# Altium PCB tempbord.PcbDoc
Units mm, origin at the board's own origin, x right, y up, seen from the top; angles counter-clockwise.
Board outline 37.97 x 11.94 mm, 2 copper layers (Top Layer, Bottom Layer); 10 components, 11 nets, 52 pads, 18 vias.
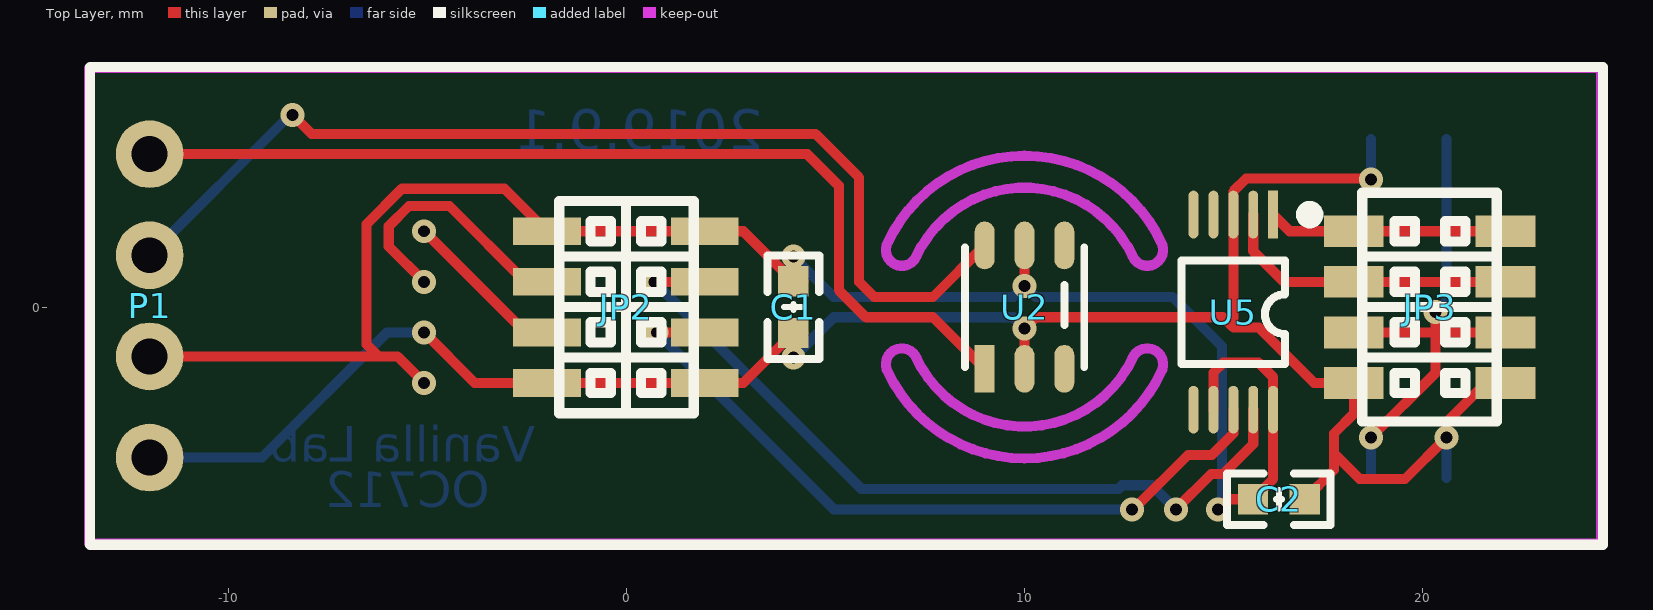
[diagram p0: Top Layer view]
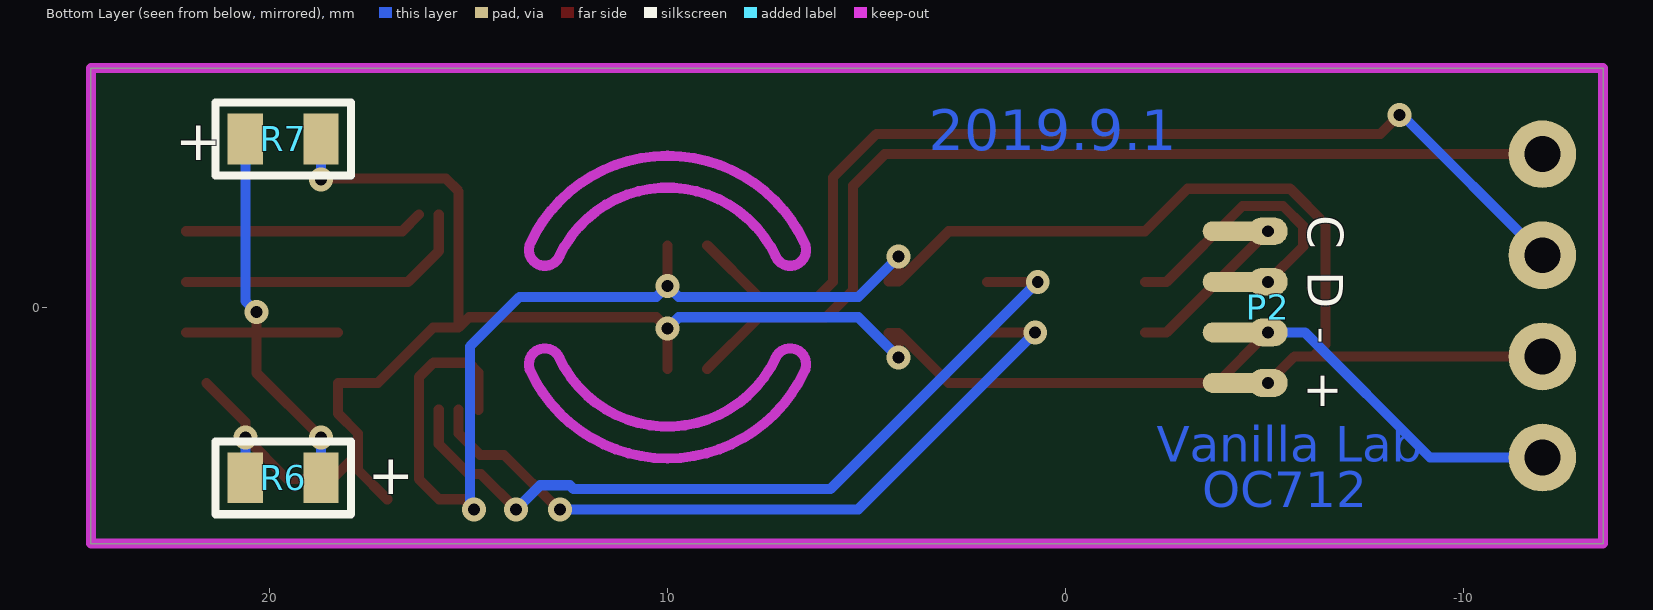
[diagram p1: Bottom Layer view, seen from below]

## Layer stack, top to bottom
Top Solder: solder mask 0.0102, Solder Resist, Dk 3.5
Top Layer: signal copper 0.0356
Dielectric 1: dielectric 0.32, FR-4, Dk 4.8
Bottom Layer: signal copper 0.0356
Bottom Solder: solder mask 0.0102, Solder Resist, Dk 3.5

## Board outline
-13.499,-5.938 -13.499,6 24.474,6 24.474,-5.938

## Design rules (kind name [scope] priority, off if disabled: settings)
Clearance [All] p1: gap=0.178
PolygonConnect [All] p1: connectstyle=Relief reliefconductorwidth=0.254 reliefentries=4 polygonreliefangle="90 Angle" airgapwidth=0.254
RoutingVias [All] p1: holewidth=0.711 width=1.27 viastyle="Through Hole" minholewidth=0.711 minwidth=1.27 maxholewidth=0.711 maxwidth=1.27
SolderMaskExpansion [All] p1: expansion=0.102
UnpouredPolygon [All] p1: allowunpoured=FALSE
Width [All] p1: maxlimit=0.254 minlimit=0.254 preferedwidth=0.254
29 further rules are at their usual default settings.

## Components (designator, comment, footprint, x,y, rotation, side; value= is the part's Value field where it differs from the comment)
C1 "104" "C 0603_L" 4.191,0 r90 top
C2 "104" "C 0603_L" 16.383,-4.826 r180 top
JP2 "Header 4X2" HDR1.27-LS-2x4P 0,0 r270 top
JP3 "Header 4X2" HDR1.27-M-LS-2x4P 20.168,0 r270 top
P1 "0.87 oled" "0.87 oled" -11.975,-3.779 r0 top
P2 "download_stm32_2" "download_round_1.27_stm32 - 2" -5.08,1.905 r270 bottom
R6 "BAT" "R 0805_L" 19.648,-4.287 r0 bottom
R7 "BAT" "R 0805_L" 19.648,4.222 r180 bottom
U2 "SHT20" "DFN6 3*3" 8.996,-1.55 r90 top
U5 "CH340E" MSOP10_L 15.24,-0.127 r180 top

## Footprints (in the part's own frame and the unit in brackets; to place one, negate y for a bottom-side part, rotate by r counter-clockwise, add the part's x,y. Pads: shape width x height; smd on the part's side, far side on the other; paste and mask are expansions set on the pad)
"0.87 oled" [mm]
  round 1.7 hole 0.9: 1(0,0) 2(0,2.54) 3(0,5.08) 4(0,7.62)
  silkscreen extent -1.5,-2.19 36.5,9.81
"C 0603_L" [mil] "无极性贴片电容"
  rect 30x30 smd: 1(-25.59,0) 2(25.59,0)
  silkscreen extent -51,-26 51,26, body extent -31,-16 31,16, height 32
"DFN6 3*3" [mm]
  rect 1.2x0.5 smd: 1(0,0)
  oval 1.2x0.5 smd: 2(0,-1) 3(0,-2) 4(3.1,-2) 5(3.1,-1) 6(3.1,0)
  silkscreen extent 0.05,-2.5 3.05,0.5
"download_round_1.27_stm32 - 2" [mm]
  oval 0.7x1 smd: 1(0,0) 2(1.27,0) 3(2.54,0) 4(3.81,0)
HDR1.27-LS-2x4P [mm] "双排贴片排针，脚距：1.27mm"
  rect 0.7x1.7 smd: 1(-1.905,-1.994) 2(-1.905,1.968) 3(-0.635,-1.994) 4(-0.635,1.968) 5(0.635,-1.994) 6(0.635,1.968) 7(1.905,-1.994) 8(1.905,1.968)
  silkscreen extent -2.67,-1.69 2.67,1.69, body extent -2.54,-2.76 2.54,2.74, height 4.25
HDR1.27-M-LS-2x4P [mm] "双排贴片排母，脚距：1.27mm"
  rect 0.8x1.5 smd: 1(-1.905,1.905) 2(-1.905,-1.905) 3(-0.635,1.905) 4(-0.635,-1.905) 5(0.635,1.905) 6(0.635,-1.905) 7(1.905,1.905) 8(1.905,-1.905)
  silkscreen extent -2.87,-1.69 2.87,1.69, body extent -2.74,-2.4 2.74,2.4, height 4.67
MSOP10_L [mm] "塑封体长3mm，宽3mm，脚距0.5"
  rect 0.25x1.2 smd: 1(-1,-2.45)
  oval 0.25x1.2 smd: 2(-0.5,-2.45) 3(0,-2.45) 4(0.5,-2.45) 5(1,-2.45) 6(1,2.45) 7(0.5,2.45) 8(0,2.45) 9(-0.5,2.45) 10(-1,2.45)
  silkscreen extent -2.07,-2.6 1.3,1.3, body extent -1.5,-2.45 1.5,2.45, height 0.95
"R 0805_L" [mil] "1/8W贴片电阻"
  rect 35x50 smd: 1(-37.4,0) 2(37.4,0)
  silkscreen extent -67,-36 67,36, body extent -39,-25 39,25, height 20

## Part data
C1 C2: library part C, "无极性贴片电容"
JP2 JP3: "4*2P接插件"
R6 R7: library part R, "贴片电阻"

## Free pads (board coordinates)
  oval 2x0.5 smd far side: 2(-4.445,0.635) 3(-4.445,1.905) 4(-4.445,-0.635) 5(-4.445,-1.905)

## Via types
v1: diameter 0.6, hole 0.3, Top Layer to Bottom Layer, tented both sides, 18 vias

## Nets (pads, with @x,y where several pads share a name; then routed paths per layer and width w, separated by ;. In a path a pad name is that pad's centre, name@x,y a point inside that pad or via, vN(x,y) a via of type N, cw(c..) or ccw(c..) an arc to the next point about the centre after c; other vN are vias at no path point)
BAT: JP3.5 JP3.6 R6.1 R7.1 | length 13.2
  Top Layer w0.254: JP3.6@18.275,-0.635 20.32,-0.635 ; v1(18.698,-3.271) 20.32,-1.649 20.32,-0.635 ; v1@20.193,-0.127 v1(20.32,-0.127) 20.32,-0.635 ; JP3.5@22.085,-0.635 20.32,-0.635
  Bottom Layer w0.254: R6.1 v1(18.698,-3.271) ; v1(20.32,-0.127) 20.598,0.151 R7.1
CLK: JP2.5 P2.1 pad.3 | length 4.1
  Top Layer w0.254: v1(-5.08,1.905) -2.54,-0.635 JP2.5
D+: JP3.1 JP3.2 U5.1 | length 6
  Top Layer w0.254: U5.1 16.658,1.905 18.275,1.905 JP3.1@22.085,1.905
D-: JP3.3 JP3.4 U5.2 | length 7.6
  Top Layer w0.254: U5.2 15.74,1.405 16.51,0.635 18.275,0.635 JP3.3@22.085,0.635
DIO: JP2.3 P2.2 pad.2 | length 6.7
  Top Layer w0.254: v1(-5.08,0.635) -5.969,1.524 -5.969,2.032 -5.461,2.54 -4.445,2.54 -2.54,0.635 JP2.3
GND: C1.1 C2.1 JP2.7 JP2.8 JP3.7 JP3.8 P1.1 P2.3 pad.4 R6.2 R7.2 U2.2 U5.3 | length 53.7
  Top Layer w0.254: v1(-5.08,-0.635) -3.81,-1.905 JP2.7 ; JP2.7@-1.981,-1.905 JP2.8 2.936,-1.905 C1.1 4.445,-0.65 4.191,-0.904 v1(4.191,-1.27) ; U2.2 v1(9.996,-0.534) 10.276,-0.254 14.983,-0.254 15.24,-0.511 ; C2.1 17.767,-4.092 17.767,-3.67 ; v1(18.698,3.206) 18.676,3.228 15.562,3.228 15.24,2.906 U5.3 15.24,-0.511 ; JP3.7@21.577,-1.905 20.598,-2.884 v1(20.598,-3.271) 19.551,-4.318 18.415,-4.318 17.767,-3.67 ; 15.24,-0.511 15.878,-0.511 17.272,-1.905 18.275,-1.905 18.275,-2.667 17.767,-3.175 17.767,-3.67
  Bottom Layer w0.254: P1.1 -9.152,-3.779 -6.008,-0.635 v1(-5.08,-0.635) ; v1(4.191,-1.27) 5.207,-0.254 9.716,-0.254 v1(9.996,-0.534) ; v1(18.698,3.206) R7.2 ; R6.2 v1(20.598,-3.271)
SCL: P1.3 U2.6 | length 26.4
  Top Layer w0.254: v1(-8.382,4.826) -7.905,4.349 4.751,4.349 5.842,3.258 5.842,0.635 6.223,0.254 7.7,0.254 U2.6
  Bottom Layer w0.254: P1.3 -8.45,4.826 v1(-8.382,4.826)
SDA: P1.4 U2.1 | length 24.7
  Top Layer w0.254: P1.4 4.541,3.841 5.334,3.048 5.334,0.425 6.013,-0.254 7.7,-0.254 U2.1
STCRXD: JP2.6 U5.8 | length 18.9
  Top Layer w0.254: v1(0.762,-0.635) JP2.6 ; v1(12.7,-5.08) 12.734,-5.08 14.1,-3.713 14.702,-3.713 15.24,-3.175 U5.8
  Bottom Layer w0.254: v1(0.762,-0.635) 5.207,-5.08 v1(12.7,-5.08)
STCTXD: JP2.4 U5.9 | length 20.3
  Top Layer w0.254: v1(0.698,0.635) JP2.4 ; v1(13.796,-5.08) 14.685,-4.191 14.986,-4.191 15.74,-3.437 U5.9
  Bottom Layer w0.254: v1(0.698,0.635) 5.905,-4.572 12.353,-4.572 12.449,-4.475 13.192,-4.475 v1(13.796,-5.08)
VCC: C1.2 C2.2 JP2.1 JP2.2 P1.2 P2.4 pad.5 U2.5 U5.7 U5.10 | length 47.7
  Top Layer w0.254: P1.2 -6.223,-1.239 ; v1(-5.08,-1.905) -5.746,-1.239 -6.223,-1.239 ; JP2.1 -3.061,2.972 -5.64,2.972 -6.528,2.084 -6.528,-0.934 -6.223,-1.239 ; JP2.1@-1.981,1.905 JP2.2 2.936,1.905 C1.2 4.445,0.65 4.191,0.904 v1(4.191,1.27) ; v1(9.996,0.534) U2.5 ; U5.7 14.74,-1.643 14.986,-1.397 15.875,-1.397 16.24,-1.762 U5.10 16.24,-4.319 C2.2 15.113,-4.826 v1(14.859,-5.08)
  Bottom Layer w0.254: v1(4.191,1.27) 5.207,0.254 9.716,0.254 v1(9.996,0.534) 10.276,0.254 13.716,0.254 14.956,-0.986 14.956,-4.983 v1(14.859,-5.08)
pads on no net: U2.3 U2.4 U5.4 U5.5 U5.6

## Keep-outs
Keep-Out Layer:
  lines w0.254: -13.499,-5.938 24.474,-5.938 24.474,6 -13.499,6 -13.499,-5.938 ; 6.552,-1.606 ccw(c9.996,0) 13.44,-1.606 ccw(c13.078,-1.437) 12.715,-1.268 cw(c9.996,0) 7.277,-1.268 ccw(c6.915,-1.437) 6.552,-1.606 ; 6.552,1.606 ccw(c6.915,1.437) 7.277,1.268 cw(c9.996,0) 12.715,1.268 ccw(c13.078,1.437) 13.44,1.606 ccw(c9.996,0) 6.552,1.606

## Other copper
Bottom Layer:
  text "2019.9.1" at 3.429,3.937 h1.02
  text "Vanilla Lab" at -2.286,-4.191 h1.52
  text "OC712" at -3.429,-5.334 h1.52

## Silkscreen, mask and mechanical layers (free items; w line width, h text height)
Bottom Overlay:
  text "+" at 22.352,3.683 h1.02
  text "+" at 17.526,-4.699 h1.02
Bottom Solder:
  text "2019.9.1" at 3.429,3.937 h1.02
  text "Vanilla Lab" at -2.286,-4.191 h1.52
  text "OC712" at -3.429,-5.334 h1.52
Drill Drawing:
  text ".Legend" at 28.321,8.636 h1.52

## Text inside footprints (layer, text, board x,y; h text height)
P2: Bottom Overlay "+" at -5.78,-1.595 h1.52 r90; Bottom Overlay "-" at -5.78,-0.495 h1.52 r90; Bottom Overlay "C" at -5.78,2.305 h1.52 r90; Bottom Overlay "D" at -5.78,0.905 h1.52 r90